# KiCad board keyboard - Hackpadv2.kicad_pcb (continued)
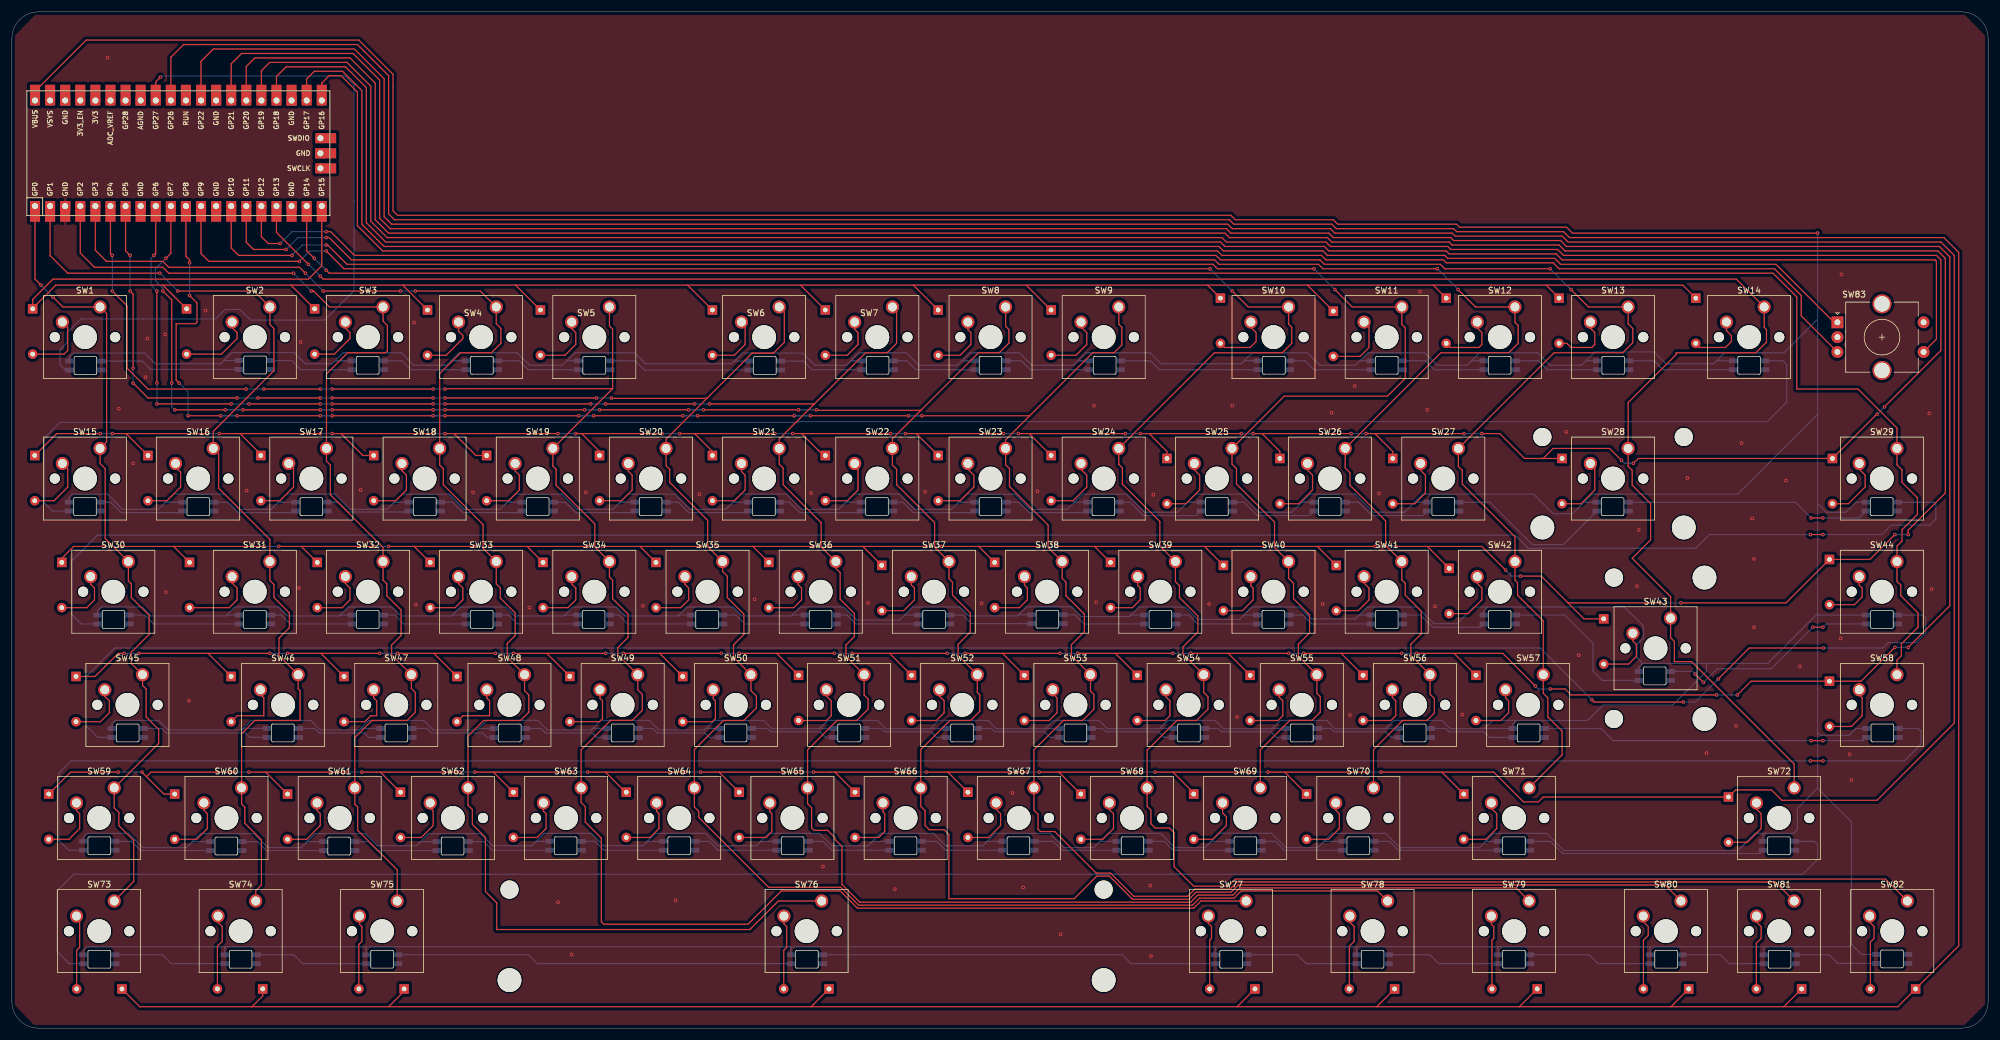
[diagram p0: board, top side]
## Nets (continued)
Net-(D74-A): D74.2 SW74.2
Net-(D75-A): D75.2 SW75.2
Net-(D76-A): D76.2 SW76.2
Net-(D77-A): D77.2 SW77.2
Net-(D78-A): D78.2 SW78.2
Net-(D79-A): D79.2 SW79.2
Net-(D80-A): D80.2 SW80.2
Net-(D81-A): D81.2 SW81.2
Net-(D82-A): D82.2 SW82.2
Net-(D83-DOUT): D83.2 D84.4
Net-(D84-DOUT): D84.2 D85.4
Net-(D85-DOUT): D85.2 D86.4
Net-(D86-DOUT): D86.2 D87.4
Net-(D87-DOUT): D87.2 D88.4
Net-(D88-DOUT): D88.2 D89.4
Net-(D89-DOUT): D89.2 D90.4
Net-(D90-DOUT): D90.2 D91.4
Net-(D91-DOUT): D91.2 D92.4
Net-(D92-DOUT): D92.2 D93.4
Net-(D93-DOUT): D93.2 D94.4
Net-(D94-DOUT): D94.2 D95.4
Net-(D95-DOUT): D95.2 D96.4
Net-(D97-DOUT): D97.2 D98.4
Net-(D98-DOUT): D98.2 D99.4
Net-(D100-DIN): D99.2 D100.4
Net-(D100-DOUT): D100.2 D101.4
Net-(D101-DOUT): D101.2 D102.4
Net-(D102-DOUT): D102.2 D103.4
Net-(D103-DOUT): D103.2 D104.4
Net-(D104-DOUT): D104.2 D105.4
Net-(D105-DOUT): D105.2 D106.4
Net-(D106-DOUT): D106.2 D107.4
Net-(D107-DOUT): D107.2 D108.4
Net-(D108-DOUT): D108.2 D109.4
Net-(D109-DOUT): D109.2 D110.4
Net-(D110-DOUT): D110.2 D111.4
Net-(D112-DOUT): D112.2 D113.4
Net-(D113-DOUT): D113.2 D114.4
Net-(D114-DOUT): D114.2 D115.4
Net-(D115-DOUT): D115.2 D116.4
Net-(D116-DOUT): D116.2 D117.4
Net-(D117-DOUT): D117.2 D118.4
Net-(D118-DOUT): D118.2 D119.4
Net-(D119-DOUT): D119.2 D120.4
Net-(D120-DOUT): D120.2 D121.4
Net-(D121-DOUT): D121.2 D122.4
Net-(D122-DOUT): D122.2 D123.4
Net-(D123-DOUT): D123.2 D124.4
Net-(D124-DOUT): D124.2 D125.4
Net-(D125-DOUT): D125.2 D126.4
Net-(D127-DOUT): D127.2 D128.4
Net-(D128-DOUT): D128.2 D129.4
Net-(D129-DOUT): D129.2 D130.4
Net-(D130-DOUT): D130.2 D131.4
Net-(D131-DOUT): D131.2 D132.4
Net-(D132-DOUT): D132.2 D133.4
Net-(D133-DOUT): D133.2 D134.4
Net-(D134-DOUT): D134.2 D135.4
Net-(D135-DOUT): D135.2 D136.4
Net-(D136-DOUT): D136.2 D137.4
Net-(D137-DOUT): D137.2 D138.4
Net-(D138-DOUT): D138.2 D139.4
Net-(D139-DOUT): D139.2 D140.4
Net-(D141-DOUT): D141.2 D142.4
Net-(D142-DOUT): D142.2 D143.4
Net-(D143-DOUT): D143.2 D144.4
Net-(D144-DOUT): D144.2 D145.4
Net-(D145-DOUT): D145.2 D146.4
Net-(D146-DOUT): D146.2 D147.4
Net-(D147-DOUT): D147.2 D148.4
Net-(D148-DOUT): D148.2 D149.4
Net-(D149-DOUT): D149.2 D150.4
Net-(D150-DOUT): D150.2 D151.4
Net-(D151-DOUT): D151.2 D152.4
Net-(D152-DOUT): D152.2 D153.4
Net-(D153-DOUT): D153.2 D154.4
Net-(D155-DOUT): D155.2 D156.4
Net-(D156-DOUT): D156.2 D157.4
Net-(D157-DOUT): D157.2 D158.4
Net-(D158-DOUT): D158.2 D159.4
Net-(D159-DOUT): D159.2 D160.4
Net-(D160-DOUT): D160.2 D161.4
Net-(D161-DOUT): D161.2 D162.4
Net-(D162-DOUT): D162.2 D163.4
Net-(D163-DOUT): D163.2 D164.4

Pads without a net: D164 2; SW83 C MP S2; U1 8 13 18 23 28 30 33 34 35 36 37 38 39 41 42 43

## Via types
v1: diameter 0.6, hole 0.3, Top to Bottom, 300 vias

## Routing (per net, layer and track width the routed paths; a pad name or vN(x,y) marks a point on that pad's centre or on a via; arc(x,y) is an arc through that point)
GND:
  vias: v1(16.1,163.4) v1(18,104.3) v1(20.4,95.1) v1(22.5,109.6) v1(22.8,116.1) v1(25.8,116.8) v1(25.9,73.4) v1(29.8,55.1) v1(32.6,120.8) v1(39.5,90.5) v1(48.3,74.1) v1(48.6,115.5) v1(58.7,90.6) v1(67.7,118.8) v1(68,71.3) v1(77.6,90.2) v1(87.1,70.8) v1(91.9,21.2) v1(94.2,12.4) v1(96.6,90.2) v1(106.2,71.1) v1(111.7,21.5) v1(115.7,89.9) v1(125,72.2) v1(134.5,90.1) v1(136.5,27.2) v1(144.1,71.6) v1(148.6,23.4) v1(153.7,90.3) v1(163.2,71.5) v1(168.4,39.6) v1(170.2,23.7) v1(172.6,90.4) v1(176.5,15.8) v1(182.1,104.8) v1(182.5,71.7) v1(191.6,24) v1(191.7,12.1) v1(192.1,89.8) v1(201.5,71.4) v1(205.4,104.8) v1(206.2,52.4) v1(220.6,71.4) v1(222.1,103.6) v1(225.2,52.7) v1(226,108.1) v1(230.1,90) v1(237,124) v1(238.2,104.1) v1(239.5,71) v1(244.1,52.8) v1(261.6,100.4) v1(263.7,62.8) v1(273.5,74.4) v1(273.8,83.9) v1(282,92.6) v1(285.2,46.3) v1(290.2,50.9) v1(291.1,98.5) v1(292.9,85.8) v1(293.2,79) v1(293.2,67.5) v1(298.6,92.2) v1(300.9,60.9) v1(307.8,65.6) v1(307.9,126.9) v1(309.3,46.1) v1(309.6,41.8) v1(322.7,103.5) v1(323.1,73.9)
Column 0: length 138.5
  Top w0.2: SW73.1 19.8,23.98 19.8,24 20.5,24.7 20.5,31.6 18,34.1 18,36.3 17.23,37.07 SW59.1 24.7,47.93 24.7,50.3 22.6,52.4 22.6,57.1 21.99,57.71 SW45.1 20.1,61.39 20.1,63.3 23.1,66.3 23.1,69.5 20.1,72.5 20.1,74.8 19.61,75.29 SW30.1 15.7,82.46 15.7,94.2 14.85,95.05 SW15.1 15.95,98.7 15.95,120.32 SW1.1 8.58,121.42 v1(6.9,123.1) ; U1.1 3.89,126.11 v1(4.9,125.1)
  Bottom w0.2: v1(6.9,123.1) v1(4.9,125.1)
Column 1: length 171.2
  Top w0.2: v1(24.9,127.1) 9.4,127.1 6.43,130.07 U1.2 ; SW74.1 41.04,23.14 42,24.1 42,31.7 39.2,34.5 39.2,37.2 38.66,37.74 SW60.1 38.66,49.56 40.9,51.8 48.5,51.8 48.5,56.8 48.18,57.12 SW46.1 44.95,62.74 44.95,65.65 46.7,67.4 46.7,69.9 44.1,72.5 44.1,74.7 43.42,75.38 SW31.1 43.42,82.28 34.8,90.9 34.8,96.7 SW16.1 33.9,100.48 44.1,110.69 44.1,117.8 43.43,118.47 43.43,121.41 SW2.1 40.74,124.1 v1(27.9,124.1)
  Bottom w0.2: v1(27.9,124.1) v1(24.9,127.1)
Column 2: length 189.1
  Top w0.2: v1(50.4,124.1) 50.79,124.1 53.47,121.42 SW3.1 62.47,119.03 63.2,118.3 63.2,114 62.9,113.7 56.5,113.7 52.95,110.15 SW17.1 52.95,95.45 53.6,94.8 53.6,89.8 62.47,80.93 SW32.1 62.47,75.43 63.1,74.8 63.1,72.8 65.5,70.4 65.5,66.1 63.9,64.5 63.9,62.84 SW47.1 67.23,57.17 67.9,56.5 67.9,53.2 66.5,51.8 60.6,51.8 57.71,48.91 SW61.1 57.71,37.69 58.2,37.2 58.2,33.3 64.85,26.65 SW75.1 ; v1(47.4,127.1) 26.4,127.1 25.4,128.1 13.9,128.1 11.51,130.49 U1.4
  Bottom w0.2: v1(50.4,124.1) v1(47.4,127.1)
Column 3: length 265.2
  Top w0.2: v1(65.4,124.1) v1(52.4,124.1) ; v1(49.4,127.1) 48.4,128.1 26.4,128.1 25.4,129.1 15.9,129.1 14.05,130.95 U1.5 ; SW76.1 129,21.41 124.2,16.6 81.6,16.6 81.6,21.1 79.7,23 79.7,32.1 77.5,34.3 77.5,36.8 76.76,37.54 SW62.1 76.76,49.16 79.4,51.8 85.6,51.8 87,53.2 87,56.1 86.28,56.82 SW48.1 83.36,62.43 83.36,64.74 84.7,66.09 84.7,69.9 82.2,72.4 82.2,74.1 81.52,74.78 SW33.1 79.3,80.78 79.3,84.8 72.6,91.5 72.6,94.2 72,94.8 SW18.1 72,110.2 75.5,113.7 80.7,113.7 82.3,115.3 82.3,117.8 81.52,118.58 SW4.1 78.84,124.1 v1(67.9,124.1)
  Bottom w0.2: v1(67.9,124.1) v1(65.4,124.1) ; v1(52.4,124.1) v1(49.4,127.1)
Column 4: length 347.7
  Top w0.2: U1.6 16.59,130.41 v1(16.9,130.1) ; 101.1,107.66 101.1,117.7 100.57,118.23 SW5.1 ; 101.1,107.66 SW19.1 91.05,94.65 91.6,94.1 91.6,91.4 98.1,84.9 98.1,81.03 SW34.1 100.57,75.93 101.1,75.4 101.1,72.3 103.7,69.7 103.7,65.8 101.97,64.07 101.97,62.87 SW49.1 105.33,56.97 106.1,56.2 106.1,53.5 104.41,51.81 104.28,51.82 100.78,51.82 95.81,46.84 SW63.1 95.81,37.99 96.5,37.3 96.5,34.7 99.2,32 99.2,17.9 99.6,17.5 123.9,17.5 129.5,23.1 139.4,23.1 142.3,20.2 198.9,20.2 200.11,21.41 SW77.1 ; 101.1,107.66 72.96,107.66 v1(72.9,107.6) ; v1(39.4,107.6) 22.9,107.6 19.4,111.1 19.4,121.6 v1(16.9,124.1) ; v1(70.9,107.6) v1(53.9,107.6) ; v1(51.9,107.6) v1(42.4,107.6)
  Bottom w0.2: v1(72.9,107.6) v1(70.9,107.6) ; v1(53.9,107.6) v1(51.9,107.6) ; v1(16.9,124.1) v1(16.9,130.1) ; v1(42.4,107.6) v1(39.4,107.6)
Column 5: length 362.8
  Top w0.2: 116.97,106.03 110.1,99.16 SW20.1 110.1,94.7 110.7,94.1 110.7,91.9 117.1,85.5 117.1,81.08 SW35.1 119.62,76.88 120.4,76.1 120.4,72.5 123.2,69.7 123.2,66.29 121.44,64.53 121.44,62.44 SW50.1 124.38,56.82 125.3,55.9 125.3,53.9 123.2,51.8 119.76,51.8 114.86,46.89 SW64.1 114.86,37.24 115.6,36.5 115.6,35.48 127.38,23.7 139.5,23.7 142.5,20.7 198.7,20.7 199.9,21.9 205.7,21.9 206.9,23.1 229.84,23.1 SW78.1 ; 116.97,106.03 124.59,113.66 128.09,113.66 128.1,113.65 128.19,113.65 130,115.46 130,120.56 SW6.1 ; 116.97,106.03 100.97,106.03 v1(100.9,106.1) ; v1(19.9,124.1) 20.4,123.6 v1(20.4,111.1) ; v1(51.9,106.1) v1(41.4,106.1) ; v1(37.9,106.1) 22.9,106.1 v1(20.4,108.6) ; v1(70.9,106.1) v1(53.9,106.1) ; v1(19.9,130.1) 19.13,130.87 U1.7 ; v1(98.4,106.1) v1(72.9,106.1)
  Bottom w0.2: v1(53.9,106.1) v1(51.9,106.1) ; v1(100.9,106.1) v1(98.4,106.1) ; v1(72.9,106.1) v1(70.9,106.1) ; v1(41.4,106.1) v1(37.9,106.1) ; v1(19.9,124.1) v1(19.9,130.1) ; v1(20.4,108.6) v1(20.4,111.1)
Column 6: length 388.6
  Top w0.2: SW79.1 253.16,23.6 206.7,23.6 205.5,22.4 199.6,22.4 198.4,21.2 142.7,21.2 139.7,24.2 139.7,30.6 138.5,31.8 138.5,32.1 137.3,33.3 135,33.3 134.6,33.7 134.6,37.1 133.91,37.79 SW65.1 133.91,46.84 138.86,51.8 142.2,51.8 144.1,53.7 144.1,55.4 143.43,56.07 SW51.1 140.37,62.57 140.37,64.51 141.8,65.94 141.8,69.8 139.4,72.2 139.4,76.7 138.67,77.43 SW36.1 136.2,81.03 136.2,85.1 129.8,91.5 129.8,94.3 129.15,94.95 SW21.1 129.15,99.18 134.98,105.02 ; 134.98,105.02 134.9,105.1 v1(117.4,105.1) ; 134.98,105.02 143.66,113.7 147.3,113.7 148.9,115.3 148.9,120.71 SW7.1 ; v1(114.9,105.1) v1(99.9,105.1) ; v1(24.4,108.6) v1(24.4,124.1) ; v1(51.9,105.1) v1(39.9,105.1) ; v1(70.9,105.1) v1(53.9,105.1) ; v1(36.9,105.1) v1(24.4,105.1) ; U1.9 24.21,130.41 v1(23.9,130.1) ; v1(97.4,105.1) v1(72.9,105.1)
  Bottom w0.2: v1(72.9,105.1) v1(70.9,105.1) ; v1(23.9,130.1) 23.4,129.6 23.4,125.1 v1(24.4,124.1) ; v1(99.9,105.1) v1(97.4,105.1) ; v1(53.9,105.1) v1(51.9,105.1) ; v1(117.4,105.1) v1(114.9,105.1) ; v1(24.4,105.1) v1(24.4,108.6) ; v1(39.9,105.1) v1(36.9,105.1)
Column 7: length 418.3
  Top w0.2: v1(96.4,104.1) v1(72.9,104.1) ; 152.98,104.02 162.66,113.7 166.16,113.7 167.8,115.34 167.8,117.6 167.25,118.15 SW8.1 ; 152.98,104.02 148.2,99.23 SW22.1 148.2,94.8 148.9,94.1 148.9,91.5 155.3,85.1 155.3,80.98 SW37.1 157.72,75.68 158.3,75.1 158.3,72.9 161.3,69.9 161.3,66.69 159.26,64.64 159.26,62.73 SW52.1 162.48,56.52 162.9,56.1 162.9,53.34 161.36,51.8 157.86,51.8 152.96,46.89 SW66.1 152.96,37.34 153.7,36.6 153.7,34.1 154.4,33.4 156.9,33.4 157.7,32.6 157.7,21.8 178.8,21.8 182.6,25.6 184.7,25.6 188.6,21.7 198.1,21.7 199.3,22.9 205.2,22.9 206.4,24.1 278.22,24.1 SW80.1 ; 152.98,104.02 135.48,104.02 v1(135.4,104.1) ; v1(25.9,129.6) 26.75,130.45 U1.10 ; v1(51.9,104.1) v1(38.9,104.1) ; v1(35.9,104.1) v1(27.4,104.1) ; v1(113.9,104.1) v1(98.9,104.1) ; v1(132.4,104.1) v1(116.4,104.1) ; v1(70.9,104.1) v1(53.9,104.1) ; v1(25.4,124.1) 26.9,122.6 v1(26.9,108.6)
  Bottom w0.2: v1(25.4,124.1) 25.4,124.6 24.15,125.85 24.15,127.85 v1(25.9,129.6) ; v1(72.9,104.1) v1(70.9,104.1) ; v1(38.9,104.1) v1(35.9,104.1) ; v1(53.9,104.1) v1(51.9,104.1) ; v1(135.4,104.1) v1(132.4,104.1) ; v1(27.4,104.1) 26.9,104.6 v1(26.9,108.6) ; v1(98.9,104.1) v1(96.4,104.1) ; v1(116.4,104.1) v1(113.9,104.1)
Column 8: length 428.8
  Top w0.2: v1(131.65,103.1) v1(115.4,103.1) ; v1(112.9,103.1) v1(97.9,103.1) ; v1(70.9,103.1) v1(53.9,103.1) ; v1(95.4,103.1) v1(72.9,103.1) ; v1(29.9,128.85) 29.9,129.35 29.29,129.96 U1.11 ; v1(28.15,108.6) 27.65,109.1 27.65,118.6 30.9,118.6 31.15,118.85 31.15,122.1 v1(29.9,123.35) ; v1(35.15,103.1) v1(29.65,103.1) ; SW9.1 186.3,118.5 186.8,118 186.8,115.01 185.51,113.71 185.4,113.72 181.91,113.72 171.22,103.03 ; v1(153.15,103.1) 171.15,103.1 171.22,103.03 ; 171.22,103.03 167.25,99.06 SW23.1 167.25,94.85 167.9,94.2 167.9,91.2 174.4,84.7 174.4,80.93 SW38.1 176.77,75.73 177.4,75.1 177.4,72.8 180.5,69.7 180.5,66.74 178.32,64.56 178.32,62.72 SW53.1 181.53,56.77 182.1,56.2 182.1,53.7 180.2,51.8 176.96,51.8 172.01,46.84 SW67.1 172.01,36.69 172.7,36 172.7,33.5 173.1,33.1 175.5,33.1 182.5,26.1 184.9,26.1 188.8,22.2 197.9,22.2 199.1,23.4 205,23.4 206.2,24.6 296.77,24.6 SW81.1 ; v1(150.9,103.1) v1(134.4,103.1) ; v1(51.9,103.1) v1(37.9,103.1)
  Bottom w0.2: v1(53.9,103.1) v1(51.9,103.1) ; v1(97.9,103.1) v1(95.4,103.1) ; v1(134.4,103.1) v1(131.65,103.1) ; v1(115.4,103.1) v1(112.9,103.1) ; v1(29.9,123.35) v1(29.9,128.85) ; v1(153.15,103.1) v1(150.9,103.1) ; v1(72.9,103.1) v1(70.9,103.1) ; v1(29.65,103.1) 29.65,107.1 v1(28.15,108.6) ; v1(37.9,103.1) v1(35.15,103.1)
Column 9: length 454
  Top w0.2: v1(201.65,127.85) 55.9,127.85 v1(52.9,130.85) ; SW82.1 315.32,25.1 205.9,25.1 204.7,23.9 198.9,23.9 195.6,27.2 195.6,32.9 194.8,33.7 192.4,33.7 191.7,34.4 191.7,36.7 191.06,37.34 SW68.1 191.06,46.79 196.06,51.8 199.4,51.8 201.3,53.7 201.3,55.8 200.58,56.52 SW54.1 197.09,62.99 197.09,64.18 199.6,66.69 199.6,69.4 196.5,72.5 196.5,74.5 195.82,75.18 SW39.1 193.2,81.18 193.2,85.3 186.9,91.6 186.9,94.3 186.3,94.9 SW24.1 202.39,113.7 213.8,113.7 215.4,115.3 215.4,118 214.87,118.53 SW10.1 208.08,121.42 v1(205.4,124.1) ; v1(48.4,129.1) 33.15,129.1 31.83,130.42 U1.12
  Bottom w0.2: v1(48.4,129.1) 50.15,130.85 v1(52.9,130.85) ; v1(205.4,124.1) v1(201.65,127.85)
Column 10: length 327.2
  Top w0.2: v1(222.65,124.35) 225.58,121.42 SW11.1 233.92,118.48 234.5,117.9 234.5,109.4 231.5,106.4 214.14,106.4 SW25.1 205.35,94.95 206.1,94.2 206.1,91.6 212.5,85.2 212.5,80.93 SW40.1 214.87,75.73 215.7,74.9 215.7,72.3 218.4,69.6 218.4,66.54 216.52,64.66 216.52,62.62 SW55.1 219.63,56.37 220.2,55.8 220.2,53.2 218.81,51.81 215.07,51.81 210.11,46.84 SW69.1 ; v1(52.9,131.85) 53.15,131.85 56.4,128.6 202.15,128.6 202.9,127.85 v1(219.15,127.85) ; U1.14 36.91,131.34 38.15,130.1 v1(47.15,130.1)
  Bottom w0.2: v1(222.65,124.35) v1(219.15,127.85) ; v1(52.9,131.85) 48.9,131.85 v1(47.15,130.1)
Column 11: length 340
  Top w0.2: v1(46.15,131.1) 40.65,131.1 39.45,132.3 U1.15 ; SW70.1 229.16,46.89 234.06,51.8 238.16,51.8 239.4,53.04 239.4,55.5 238.68,56.22 SW56.1 235.44,62.74 235.44,64.63 237.2,66.39 237.2,70.2 234.5,72.9 234.5,74.9 233.92,75.48 SW41.1 231.2,81.28 231.2,85.4 225.2,91.4 225.2,93.5 224.4,94.3 SW26.1 240.49,113.7 248.36,113.7 248.38,113.71 251.92,113.71 253.5,115.29 253.5,118.3 252.97,118.83 SW12.1 246.33,121.42 v1(243.4,124.35) ; v1(239.9,127.85) 220.65,127.85 219.9,128.6 203.15,128.6 202.4,129.35 57.15,129.35 53.4,133.1 v1(52.9,133.1)
  Bottom w0.2: v1(243.4,124.35) v1(239.9,127.85) ; v1(46.15,131.1) 48.15,133.1 v1(52.9,133.1)
Column 12: length 351.5
  Top w0.2: v1(45.15,132.1) 43.15,132.1 41.99,133.26 U1.16 ; v1(258.9,127.85) 241.15,127.85 240.4,128.6 220.9,128.6 220.15,129.35 203.4,129.35 202.65,130.1 57.65,130.1 53.65,134.1 v1(52.9,134.1) ; v1(262.4,124.35) 265.33,121.42 SW13.1 272.02,118.58 272.8,117.8 272.8,115.4 271.11,113.71 259.55,113.71 SW27.1 243.45,94.55 244.1,93.9 244.1,91.6 252.97,82.73 SW42.1 252.97,75.43 253.4,75 253.4,72.9 257.73,68.57 SW57.1 257.73,56.37 258.5,55.6 258.5,52.4 260.9,50 260.9,46 SW71.1
  Bottom w0.2: v1(45.15,132.1) 47.15,134.1 v1(52.9,134.1) ; v1(262.4,124.35) v1(258.9,127.85)
Column 13: length 374.5
  Top w0.2: v1(51.9,126.6) 52.4,126.1 290.23,126.1 SW14.1 294.91,117.99 295.3,117.6 295.3,115.5 293.5,113.7 280.1,113.7 280.1,113.4 272.02,105.32 SW28.1 272.02,94.58 272.7,93.9 272.7,91.4 275.8,88.3 275.8,82.2 272.7,79.1 279.16,72.64 SW43.1 279.16,65.74 279.8,65.1 279.8,61.7 282.7,61.7 299.96,44.44 SW72.1 ; v1(49.9,128.6) 44.53,133.97 U1.17
  Bottom w0.2: v1(51.9,126.6) v1(49.9,128.6)
Column 14: length 343.9
  Top w0.2: U1.19 49.61,130.89 v1(50.9,129.6) ; SW58.1 317.26,61.96 318,62.7 318,64.7 320.8,67.5 320.8,69.9 317.9,72.8 317.9,74.6 317.26,75.24 SW44.1 317.26,81.16 318.1,82 318.1,83.9 320.7,86.5 320.7,89.3 318.1,91.9 318.1,94 317.26,94.84 SW29.1 317.26,101.05 310.71,107.6 300.4,107.6 300.4,123.1 296.4,127.1 53.4,127.1 v1(52.9,127.6)
  Bottom w0.2: v1(52.9,127.6) v1(50.9,129.6)
LEDData: length 132.7
  Top w0.2: U1.32 24.21,159.31 v1(25,160.1)
  Bottom w0.2: v1(25,160.1) 25.2,160.3 56.1,160.3 57.6,158.8 57.6,124.2 52.6,119.2 40.2,119.2 38.4,121 35.9,121 34.3,119.4 11.6,119.4 9.3,117.1 9.3,115.4 8.1,114.2 8.1,111.7 9,110.8 D83.4
RotaryA: length 292.5
  Top w0.2: U1.22 49.61,159.81 50.9,161.1 55.65,161.1 58.9,157.85 58.9,135.35 62.65,131.6 203.15,131.6 203.9,130.85 220.65,130.85 221.4,130.1 241.15,130.1 241.65,129.6 259.65,129.6 260.65,128.6 296.9,128.6 306.66,118.84 SW83.A
RotaryB: length 293
  Top w0.2: U1.21 52.15,159.1 53.4,160.35 55.4,160.35 58.15,157.6 58.15,135.1 62.4,130.85 202.9,130.85 203.65,130.1 220.4,130.1 221.15,129.35 240.9,129.35 241.4,128.85 259.4,128.85 260.4,127.85 296.65,127.85 301.15,123.35 301.15,119.93 SW83.B
RotaryS1: length 327.1
  Top w0.2: U1.24 44.53,160.23 46.15,161.85 56.15,161.85 59.65,158.35 59.65,135.6 62.9,132.35 203.4,132.35 204.15,131.6 220.9,131.6 221.65,130.85 241.4,130.85 241.9,130.35 259.9,130.35 260.9,129.35 323.65,129.35 323.9,129.1 323.9,116 SW83.S1
Row 0: length 407.5
  Top w0.2: 258.21,125.1 239.21,125.1 ; 258.21,125.1 281.21,125.1 D14.1 ; 258.21,125.1 D13.1 ; 239.21,125.1 218.02,125.1 ; 239.21,125.1 D12.1 ; D11.1 218.02,125.1 ; 218.02,125.1 201.21,125.1 ; D5.1 84.76,125.1 ; 84.76,125.1 113.71,125.1 ; 84.76,125.1 65.76,125.1 ; D4.1 65.76,125.1 ; 65.76,125.1 46.95,125.1 ; D7.1 132.71,125.1 ; 132.71,125.1 113.71,125.1 ; 132.71,125.1 151.71,125.1 ; 201.21,125.1 170.71,125.1 ; 201.21,125.1 D10.1 ; 170.71,125.1 151.71,125.1 ; 170.71,125.1 D9.1 ; 113.71,125.1 D6.1 ; U1.20 52.15,128.35 49.9,126.1 6.9,126.1 3.5,122.7 D1.1 3.5,121.2 7.4,125.1 25.4,125.1 ; D3.1 46.95,125.1 ; 46.95,125.1 25.4,125.1 ; 151.71,125.1 D8.1 ; D2.1 25.4,125.1
Row 1: length 734.3
  Top w0.2: D16.1 19.21,100.1 ; 19.21,100.1 v1(16.9,100.1) ; 19.21,100.1 v1(32.9,100.1) ; v1(315.15,104.6) 324.65,114.1 324.65,129.35 323.9,130.1 261.15,130.1 260.15,131.1 242.15,131.1 241.65,131.6 221.9,131.6 221.15,132.35 204.4,132.35 203.65,133.1 63.15,133.1 60.4,135.85 60.4,158.6 56.4,162.6 43.4,162.6 41.99,161.19 U1.25 ; 132.9,100.1 136.59,96.41 D22.1 ; 132.9,100.1 v1(147.9,100.1) ; 132.9,100.1 v1(131.4,100.1) ; D28.1 257.4,95.91 ; 257.4,95.91 254.59,95.91 250.4,100.1 v1(247.4,100.1) ; 257.4,95.91 257.71,95.91 259.4,97.6 268.9,97.6 v1(270.9,95.6) ; 55.4,100.1 59.09,96.41 D18.1 ; 55.4,100.1 v1(53.9,100.1) ; 55.4,100.1 v1(70.9,100.1) ; 210.4,100.1 213.4,97.1 D26.1 ; 210.4,100.1 v1(225.4,100.1) ; 210.4,100.1 v1(208.9,100.1) ; D23.1 152.21,100.1 ; 152.21,100.1 v1(166.9,100.1) ; 152.21,100.1 v1(150.4,100.1) ; 191.4,100.1 v1(189.9,100.1) ; 191.4,100.1 194.4,97.1 D25.1 ; 191.4,100.1 v1(206.9,100.1) ; 38.4,100.1 41.9,96.6 D17.1 ; 38.4,100.1 v1(51.9,100.1) ; 38.4,100.1 v1(34.9,100.1) ; v1(169.4,100.1) 171.21,100.1 ; v1(109.4,100.1) 95.9,100.1 ; 95.9,100.1 v1(94.9,100.1) ; 95.9,100.1 98.9,97.1 D20.1 ; v1(244.4,100.1) 229.4,100.1 ; 229.4,100.1 v1(227.9,100.1) ; 229.4,100.1 232.4,97.1 D27.1 ; 114.9,100.1 v1(112.4,100.1) ; 114.9,100.1 v1(128.4,100.1) ; 114.9,100.1 117.9,97.1 D21.1 ; v1(272.9,95.1) 273.71,95.91 D29.1 313.84,103.35 v1(313.9,103.35) ; 74.4,100.1 78.09,96.41 D19.1 ; 74.4,100.1 v1(91.9,100.1) ; 74.4,100.1 v1(72.9,100.1) ; v1(14.9,100.1) 7.54,100.1 D15.1 ; 171.21,100.1 D24.1 ; 171.21,100.1 v1(187.4,100.1)
  Bottom w0.2: v1(131.4,100.1) v1(128.4,100.1) ; v1(189.9,100.1) v1(187.4,100.1) ; v1(112.4,100.1) v1(109.4,100.1) ; v1(150.4,100.1) v1(147.9,100.1) ; v1(270.9,95.6) 271.4,95.1 v1(272.9,95.1) ; v1(34.9,100.1) v1(32.9,100.1) ; v1(208.9,100.1) v1(206.9,100.1) ; v1(94.9,100.1) v1(91.9,100.1) ; v1(72.9,100.1) v1(70.9,100.1) ; v1(313.9,103.35) v1(315.15,104.6) ; v1(16.9,100.1) v1(14.9,100.1) ; v1(247.4,100.1) v1(244.4,100.1) ; v1(53.9,100.1) v1(51.9,100.1) ; v1(227.9,100.1) v1(225.4,100.1) ; v1(169.4,100.1) v1(166.9,100.1)
Row 2: length 746.1
  Top w0.2: D42.1 238.21,81.1 ; 238.21,81.1 v1(232.9,81.1) ; 238.21,81.1 247.4,81.1 v1(251.4,77.1) ; v1(44.9,81.1) 48.71,81.1 ; 105.71,81.1 v1(99.4,81.1) ; 105.71,81.1 D35.1 ; 105.71,81.1 v1(115.9,81.1) ; v1(253.9,76.1) 257.4,76.1 261.9,71.6 ; D32.1 48.71,81.1 ; 48.71,81.1 v1(60.9,81.1) ; v1(172.9,81.1) 162.71,81.1 ; 162.71,81.1 v1(156.4,81.1) ; 162.71,81.1 D38.1 ; U1.26 39.45,161.9 40.9,163.35 56.9,163.35 61.15,159.1 61.15,136.1 63.4,133.85 204.15,133.85 204.9,133.1 221.4,133.1 222.15,132.35 241.9,132.35 242.4,131.85 260.4,131.85 261.4,130.85 324.15,130.85 325.4,129.6 325.4,90.1 319.15,83.85 v1(319.15,83.1) ; 261.9,71.6 264.59,68.91 D43.1 ; 261.9,71.6 v1(277.4,71.6) ; v1(210.9,81.1) 200.71,81.1 ; 200.71,81.1 D40.1 ; 200.71,81.1 v1(194.4,81.1) ; v1(63.4,81.1) 67.71,81.1 ; v1(15.4,81.1) 10.4,81.1 8.4,79.1 D30.1 ; v1(134.9,81.1) 124.71,81.1 ; 124.71,81.1 v1(118.4,81.1) ; 124.71,81.1 D36.1 ; 182.21,81.1 v1(175.9,81.1) ; 182.21,81.1 D39.1 ; 182.21,81.1 v1(191.9,81.1) ; D41.1 219.71,81.1 ; 219.71,81.1 v1(229.4,81.1) ; 219.71,81.1 v1(213.9,81.1) ; v1(80.4,81.1) 86.71,81.1 ; v1(153.9,81.1) 143.21,81.1 ; 143.21,81.1 v1(137.4,81.1) ; 143.21,81.1 D37.1 ; D31.1 27.21,81.1 ; 27.21,81.1 v1(18.4,81.1) ; 27.21,81.1 v1(42.4,81.1) ; v1(316.9,83.1) 312.71,78.91 D44.1 298.59,71.6 v1(280.9,71.6) ; 67.71,81.1 D33.1 ; 67.71,81.1 v1(77.9,81.1) ; D34.1 86.71,81.1 ; 86.71,81.1 v1(96.9,81.1)
  Bottom w0.2: v1(118.4,81.1) v1(115.9,81.1) ; v1(18.4,81.1) v1(15.4,81.1) ; v1(251.4,77.1) 252.4,76.1 v1(253.9,76.1) ; v1(213.9,81.1) v1(210.9,81.1) ; v1(137.4,81.1) v1(134.9,81.1) ; v1(316.9,83.1) v1(319.15,83.1) ; v1(156.4,81.1) v1(153.9,81.1) ; v1(232.9,81.1) v1(229.4,81.1) ; v1(194.4,81.1) v1(191.9,81.1) ; v1(44.9,81.1) v1(42.4,81.1) ; v1(280.9,71.6) v1(277.4,71.6) ; v1(99.4,81.1) v1(96.9,81.1) ; v1(63.4,81.1) v1(60.9,81.1) ; v1(175.9,81.1) v1(172.9,81.1) ; v1(80.4,81.1) v1(77.9,81.1)
Row 3: length 772.8
  Top w0.2: v1(195.4,63.1) 185.71,63.1 ; 185.71,63.1 D54.1 ; 185.71,63.1 v1(179.4,63.1) ; v1(43.4,63.1) 33.01,63.1 ; 33.01,63.1 v1(21.4,63.1) ; 33.01,63.1 D46.1 ; 71.01,63.1 v1(64.9,63.1) ; 71.01,63.1 D48.1 ; 71.01,63.1 v1(81.4,63.1) ; 109.01,63.1 v1(102.9,63.1) ; 109.01,63.1 v1(119.4,63.1) ; 109.01,63.1 D50.1 ; v1(290.4,56.1) 292.71,58.41 D58.1 311.21,58.41 v1(316.9,64.1) ; v1(176.4,63.1) 166.71,63.1 ; 166.71,63.1 D53.1 ; 166.71,63.1 v1(160.4,63.1) ; D55.1 204.71,63.1 ; 204.71,63.1 v1(214.9,63.1) ; 204.71,63.1 v1(198.4,63.1) ; v1(256.4,57.6) 250.9,63.1 242.71,63.1 ; v1(99.9,63.1) 90.02,63.1 ; 90.02,63.1 D49.1 ; 90.02,63.1 v1(84.4,63.1) ; D51.1 128.71,63.1 ; 128.71,63.1 v1(138.4,63.1) ; 128.71,63.1 v1(122.4,63.1) ; 242.71,63.1 v1(236.4,63.1) ; 242.71,63.1 D57.1 ; v1(233.9,63.1) 223.71,63.1 ; 223.71,63.1 v1(217.4,63.1) ; 223.71,63.1 D56.1 ; D52.1 147.71,63.1 ; 147.71,63.1 v1(141.4,63.1) ; 147.71,63.1 v1(157.4,63.1) ; v1(319.15,64.1) 326.15,71.1 326.15,129.85 324.4,131.6 261.65,131.6 260.65,132.6 242.65,132.6 242.15,133.1 222.4,133.1 221.65,133.85 205.15,133.85 204.4,134.6 63.65,134.6 61.9,136.35 61.9,159.6 57.4,164.1 38.65,164.1 36.91,162.36 U1.27 ; v1(18.9,63.1) 17.9,63.1 14.01,59.21 D45.1 ; v1(286.9,56.1) 262.4,56.1 261.4,57.1 v1(258.9,57.1) ; D47.1 52.01,63.1 ; 52.01,63.1 v1(46.4,63.1) ; 52.01,63.1 v1(61.9,63.1)
  Bottom w0.2: v1(258.9,57.1) 256.9,57.1 v1(256.4,57.6) ; v1(198.4,63.1) v1(195.4,63.1) ; v1(290.4,56.1) v1(286.9,56.1) ; v1(160.4,63.1) v1(157.4,63.1) ; v1(179.4,63.1) v1(176.4,63.1) ; v1(84.4,63.1) v1(81.4,63.1) ; v1(217.4,63.1) v1(214.9,63.1) ; v1(102.9,63.1) v1(99.9,63.1) ; v1(141.4,63.1) v1(138.4,63.1) ; v1(64.9,63.1) v1(61.9,63.1) ; v1(46.4,63.1) v1(43.4,63.1) ; v1(316.9,64.1) v1(319.15,64.1) ; v1(21.4,63.1) v1(18.9,63.1) ; v1(236.4,63.1) v1(233.9,63.1) ; v1(122.4,63.1) v1(119.4,63.1)
Row 4: length 801.9
  Top w0.2: v1(94.4,43.1) 81.02,43.1 ; 81.02,43.1 v1(77.9,43.1) ; 81.02,43.1 D63.1 ; 62.02,43.1 v1(58.9,43.1) ; 62.02,43.1 D62.1 ; 62.02,43.1 v1(75.4,43.1) ; D65.1 119.02,43.1 ; 119.02,43.1 v1(115.9,43.1) ; 119.02,43.1 v1(132.9,43.1) ; 99.9,43.1 v1(96.9,43.1) ; 99.9,43.1 103.28,39.72 D64.1 ; 99.9,43.1 v1(113.4,43.1) ; 22.65,42.35 25.59,39.41 D60.1 ; 22.65,42.35 23.4,43.1 v1(37.4,43.1) ; 22.65,42.35 v1(21.9,43.1) ; v1(230.4,43.1) 240.66,43.1 ; v1(227.9,43.1) 214.21,43.1 ; 214.21,43.1 D70.1 ; 214.21,43.1 v1(211.4,43.1) ; v1(170.9,43.1) 157.52,43.1 ; 157.52,43.1 D67.1 ; 157.52,43.1 v1(153.9,43.1) ; v1(56.4,43.1) 42.71,43.1 ; 42.71,43.1 v1(39.9,43.1) ; 42.71,43.1 D61.1 ; v1(134.9,43.1) 138.52,43.1 ; v1(172.9,43.1) 176.21,43.1 ; v1(208.9,43.1) 195.4,43.1 ; 195.4,43.1 v1(192.4,43.1) ; 195.4,43.1 198.9,39.6 D69.1 ; U1.29 31.83,162.78 33.9,164.85 57.65,164.85 62.65,159.85 62.65,136.6 63.9,135.35 204.65,135.35 205.4,134.6 221.9,134.6 222.65,133.85 242.4,133.85 242.9,133.35 260.9,133.35 261.9,132.35 324.65,132.35 326.9,130.1 326.9,51.35 313.9,38.35 297.9,38.35 296.15,40.1 290.09,40.1 D72.1 257.71,38.91 256.9,38.1 254.4,38.1 249.4,43.1 240.66,43.1 ; v1(151.9,43.1) 138.52,43.1 ; 138.52,43.1 D66.1 ; D68.1 176.21,43.1 ; 176.21,43.1 v1(189.9,43.1) ; D71.1 240.66,43.1 ; v1(17.9,43.1) 9.89,43.1 D59.1
  Bottom w0.2: v1(39.9,43.1) v1(37.4,43.1) ; v1(211.4,43.1) v1(208.9,43.1) ; v1(77.9,43.1) v1(75.4,43.1) ; v1(134.9,43.1) v1(132.9,43.1) ; v1(172.9,43.1) v1(170.9,43.1) ; v1(192.4,43.1) v1(189.9,43.1) ; v1(21.9,43.1) v1(17.9,43.1) ; v1(96.9,43.1) v1(94.4,43.1) ; v1(58.9,43.1) v1(56.4,43.1) ; v1(153.9,43.1) v1(151.9,43.1) ; v1(230.4,43.1) v1(227.9,43.1) ; v1(115.9,43.1) v1(113.4,43.1)
Row 5: length 801.8
  Top w0.2: D79.1 253.71,3.6 ; 253.71,3.6 279.21,3.6 ; 253.71,3.6 229.71,3.6 ; 40.4,3.6 21.52,3.6 D73.1 ; 40.4,3.6 42.21,5.41 D74.1 ; 40.4,3.6 63.4,3.6 ; D81.1 298.21,3.6 ; 298.21,3.6 317.4,3.6 D82.1 327.65,13.85 327.65,130.6 325.15,133.1 262.15,133.1 261.15,134.1 243.15,134.1 242.65,134.6 222.9,134.6 222.15,135.35 205.65,135.35 204.9,136.1 64.4,136.1 63.4,137.1 63.4,160.35 58.15,165.6 28.9,165.6 26.75,163.45 U1.31 ; 298.21,3.6 279.21,3.6 ; D75.1 66.02,6.22 63.4,3.6 ; D76.1 134.52,3.6 ; 134.52,3.6 206.21,3.6 ; 134.52,3.6 63.4,3.6 ; D78.1 229.71,3.6 ; 229.71,3.6 206.21,3.6 ; 279.21,3.6 D80.1 ; D77.1 206.21,3.6
To5V: length 2542.4
  Top w0.2: U1.40 3.89,157.74 12.5,166.35 58.4,166.35 64.15,160.6 64.15,137.6 64.9,136.85 205.15,136.85 205.9,136.1 222.4,136.1 223.15,135.35 243.15,135.35 243.65,134.85 261.65,134.85 262.65,133.85 v1(303.9,133.85)
  Bottom w0.2: 253.24,51.8 249.2,51.8 247.8,50.4 ; 253.24,51.8 252.6,51.16 D139.3 247.85,50.45 247.8,50.4 ; 253.24,51.8 265.2,51.8 267.8,54.4 279.5,54.4 285.2,60.1 285.2,61.4 ; 216.9,88.35 218.45,89.9 226.1,89.9 229.15,86.85 234.4,86.85 235.9,88.35 ; 216.9,88.35 217.1,88.55 D108.3 ; 216.9,88.35 215.4,86.85 209.9,86.85 206.85,89.9 199.2,89.9 197.53,88.22 ; 247.75,31.15 249.4,32.8 258.3,32.8 261.2,29.9 290.5,29.9 293.4,32.8 295.1,32.8 ; 247.75,31.15 248.05,31.45 D153.3 ; 247.75,31.15 247,30.4 233.6,30.4 231.2,32.8 222.2,32.8 220.75,31.35 ; D120.3 169.4,69.6 169.3,69.5 ; 150.25,69.55 149.4,68.7 142.2,68.7 140,70.9 132.7,70.9 131.2,69.4 ; 150.25,69.55 151.6,70.9 159.5,70.9 161,69.4 169.2,69.4 169.3,69.5 ; 150.25,69.55 D119.3 ; 64.15,88.35 63.15,87.35 56.9,87.35 54.34,89.91 46.21,89.91 44.78,88.47 ; 64.15,88.35 65.7,89.9 73.6,89.9 76.15,87.35 82.15,87.35 83.15,88.35 ; 64.15,88.35 64.35,88.55 D100.3 ; 35.83,12.35 35.83,13.67 35.8,13.7 ; D106.3 178.85,88.55 178.78,88.47 ; D95.3 264.9,112.35 ; 264.9,112.35 266.4,113.85 276.4,113.85 278.4,111.85 286.4,111.85 286.9,112.35 ; 264.9,112.35 264.15,111.6 258.9,111.6 256.8,113.7 247,113.7 245.65,112.35 ; 197.53,88.22 197.85,88.55 200.12,88.55 ; 197.53,88.22 196.15,86.85 190.65,86.85 187.6,89.9 180.2,89.9 178.78,88.47 ; D109.3 236.1,88.55 235.9,88.35 ; D124.3 247.72,70.26 248.36,70.9 ; 38.7,50.2 40.3,51.8 50.3,51.8 51.9,50.2 58.5,50.2 ; 38.7,50.2 38.95,50.45 D128.3 ; 38.7,50.2 26.3,50.2 24.7,51.8 17.4,51.8 16.83,51.22 16.83,50.45 ; 182.95,31.25 184.5,32.8 193.3,32.8 195.7,30.4 200.8,30.4 201.75,31.35 ; 182.95,31.25 182.1,30.4 177.1,30.4 174.7,32.8 165.5,32.8 164,31.3 ; 182.95,31.25 183.15,31.45 D150.3 ; 154.6,50.4 154.65,50.45 D134.3 ; 154.6,50.4 147.1,50.4 145.7,51.8 137.3,51.8 135.9,50.4 ; 154.6,50.4 156,51.8 164.3,51.8 165.7,50.4 173.9,50.4 ; 68.6,31.2 68.1,30.7 61.5,30.7 59.45,32.75 51.05,32.75 49.5,31.2 ; 68.6,31.2 68.8,31.4 D144.3 ; 68.6,31.2 70.15,32.75 78.85,32.75 80.9,30.7 87.5,30.7 88.15,31.35 ; D84.3 35.7,112.4 35.65,112.35 ; 207.25,69.45 207.35,69.55 D122.3 ; 207.25,69.45 208.71,70.91 213.59,70.91 213.6,70.9 216.7,70.9 218.7,68.9 226.1,68.9 226.65,69.45 ; 207.25,69.45 206.6,68.8 199.6,68.8 197.5,70.9 189.7,70.9 188.25,69.45 ; D146.3 106.95,31.45 106.85,31.35 ; 121.53,112.22 121.6,112.3 D88.3 ; 121.53,112.22 122.95,113.65 133.1,113.65 135.15,111.6 140.4,111.6 141.15,112.35 ; 121.53,112.22 121.15,111.85 106.65,111.85 104.8,113.7 94.75,113.7 93.4,112.35 ; 303.9,119.35 298.25,113.7 288.25,113.7 286.9,112.35 ; 303.9,119.35 303.9,103.35 ; 303.9,119.35 v1(303.9,133.85) ; 159.9,112.35 159.15,111.6 152.65,111.6 150.54,113.71 144.15,113.71 144.14,113.71 142.51,113.71 141.15,112.35 ; 159.9,112.35 D90.3 ; 159.9,112.35 161.25,113.7 169.55,113.7 171.65,111.6 178.65,111.6 179.4,112.35 ; D116.3 93.05,69.55 92.9,69.4 ; 309.6,14.1 309.6,34.7 303.9,40.4 ; 309.6,14.1 309.2,13.7 294.8,13.7 ; 309.6,14.1 311.3,12.4 D164.3 ; 264.52,88.47 265.95,89.9 290.45,89.9 303.9,103.35 ; 264.52,88.47 262.65,86.6 259.4,86.6 256.1,89.9 237.45,89.9 235.9,88.35 ; 264.52,88.47 264.6,88.55 D110.3 ; D104.3 140.35,88.55 140.28,88.47 ; 102.15,88.35 102.35,88.55 D102.3 ; 102.15,88.35 101.15,87.35 95.15,87.35 92.6,89.9 84.7,89.9 83.15,88.35 ; 102.15,88.35 103.7,89.9 111.6,89.9 114.15,87.35 120.15,87.35 121.15,88.35 ; 35.8,13.7 12.66,13.7 12.03,13.06 D155.3 ; 35.8,13.7 59.6,13.7 ; D161.3 250.12,13.67 250.1,13.7 ; 97.5,50.2 99.1,51.8 107.3,51.8 108.9,50.2 116.6,50.2 116.7,50.3 ; 97.5,50.2 90.1,50.2 88.49,51.81 79.91,51.81 78.3,50.2 ; 97.5,50.2 97.75,50.45 D131.3 ; 78.3,50.2 70.9,50.2 69.3,51.8 60.1,51.8 58.5,50.2 ; 78.3,50.2 78.55,50.45 81.12,50.45 ; D89.3 141.15,112.35 ; 303.9,69.8 303.9,49.8 ; 303.9,69.8 304.15,69.55 D126.3 ; 303.9,69.8 303.9,88.35 ; 303.9,69.8 295.5,61.4 285.2,61.4 ; 303.9,49.8 304.4,49.3 309.2,49.3 310.35,50.45 D140.3 ; 303.9,49.8 303.9,40.4 ; 226.65,69.45 226.75,69.55 D123.3 ; 226.65,69.45 228.11,70.91 236.49,70.91 239.3,68.1 243.2,68.1 246,70.9 248.36,70.9 ; 226.9,112.35 228.25,113.7 237.8,113.7 239.9,111.6 244.9,111.6 245.65,112.35 ; 226.9,112.35 226.15,111.6 220.15,111.6 218.05,113.7 208.75,113.7 207.4,112.35 ; 226.9,112.35 D93.3 ; 44.78,88.47 43.65,87.35 38.4,87.35 35.85,89.9 27.2,89.9 25.78,88.47 ; 44.78,88.47 44.85,88.55 D99.3 ; 286.9,112.35 D96.3 ; 114.33,69.55 112.25,69.55 112.1,69.4 ; 144.55,31.15 144.85,31.45 D148.3 ; 144.55,31.15 146.2,32.8 155.1,32.8 157.2,30.7 163.4,30.7 164,31.3 ; 144.55,31.15 144.1,30.7 138,30.7 135.9,32.8 127.4,32.8 125.8,31.2 ; 25.78,88.47 24.65,87.35 18.65,87.35 16.1,89.9 10.2,89.9 9.62,89.32 D97.3 ; 25.78,88.47 25.85,88.55 D98.3 ; 55.2,69.5 55.25,69.55 D114.3 ; 55.2,69.5 56.6,70.9 63.9,70.9 65.4,69.4 74,69.4 74.15,69.55 ; 55.2,69.5 55.1,69.4 46.4,69.4 44.88,70.92 37.52,70.92 36.15,69.55 ; D159.3 202.53,13.62 202.6,13.7 ; 106.85,31.35 106.2,30.7 99.6,30.7 97.5,32.8 89.6,32.8 88.15,31.35 ; 106.85,31.35 108.3,32.8 116.7,32.8 118.8,30.7 125.3,30.7 125.8,31.2 ; 59.6,13.7 59.63,13.67 59.63,12.35 ; 59.6,13.7 131.1,13.7 ; 179.4,112.35 180.75,113.7 191.55,113.7 193.4,111.85 206.9,111.85 207.4,112.35 ; 179.4,112.35 D91.3 ; 212.1,50.4 212.15,50.45 D137.3 ; 212.1,50.4 213.5,51.8 221.3,51.8 222.7,50.4 231.2,50.4 ; 212.1,50.4 203.9,50.4 202.5,51.8 194.5,51.8 193.1,50.4 ; 93.4,112.35 92.65,111.6 87.15,111.6 85.05,113.7 75.25,113.7 73.9,112.35 ; 93.4,112.35 D87.3 ; 140.28,88.47 141.71,89.91 149.34,89.91 151.9,87.35 158.15,87.35 159.15,88.35 ; 140.28,88.47 139.15,87.35 132.9,87.35 130.33,89.92 122.72,89.92 121.15,88.35 ; 303.9,103.35 303.9,88.35 ; 294.8,13.7 294.83,13.67 D163.3 ; 294.8,13.7 275.7,13.7 ; 247.8,50.4 242.1,50.4 240.7,51.8 232.6,51.8 231.2,50.4 ; 231.2,50.4 231.25,50.45 D138.3 ; 201.75,31.35 201.85,31.45 D151.3 ; 201.75,31.35 203.21,32.81 211.99,32.81 214.4,30.4 219.8,30.4 220.75,31.35 ; 92.9,69.4 84.6,69.4 83.1,70.9 75.5,70.9 74.15,69.55 ; 92.9,69.4 94.4,70.9 101.7,70.9 103.2,69.4 112.1,69.4 ; 30.3,31.3 30.4,31.4 D142.3 ; 30.3,31.3 29.4,30.4 22,30.4 19.6,32.8 12.66,32.8 12.03,32.16 D141.3 ; 30.3,31.3 31.75,32.75 40.75,32.75 43.1,30.4 48.7,30.4 49.5,31.2 ; D149.3 164.15,31.45 164,31.3 ; 188.25,69.45 188.35,69.55 190.62,69.55 ; 188.25,69.45 188.1,69.3 180,69.3 178.35,70.95 170.75,70.95 169.3,69.5 ; 220.75,31.35 220.85,31.45 D152.3 ; 49.5,31.2 49.7,31.4 D143.3 ; 131.1,13.7 131.12,13.67 D158.3 ; 131.1,13.7 202.6,13.7 ; 112.1,69.4 113.6,70.9 121.3,70.9 122.8,69.4 131.2,69.4 ; 303.9,40.4 300.5,37 300.5,33.4 299.9,32.8 295.1,32.8 ; 76.43,112.35 73.9,112.35 ; 73.9,112.35 73.15,111.6 67.65,111.6 65.55,113.7 55.75,113.7 54.4,112.35 ; 125.8,31.2 126.05,31.45 D147.3 ; 173.9,50.4 175.3,51.8 183,51.8 184.4,50.4 193.1,50.4 ; 173.9,50.4 173.95,50.45 D135.3 ; 275.7,13.7 250.1,13.7 ; 275.7,13.7 275.73,13.67 D162.3 ; 58.5,50.2 58.75,50.45 D129.3 ; D132.3 116.85,50.45 116.7,50.3 ; 226.3,13.7 202.6,13.7 ; 226.3,13.7 226.33,13.67 D160.3 ; 226.3,13.7 250.1,13.7 ; 35.65,112.35 37.05,113.75 47.5,113.75 49.4,111.85 53.9,111.85 54.4,112.35 ; 35.65,112.35 35.15,111.85 24.15,111.85 22.35,113.65 10.34,113.65 9.7,113.01 D83.3 ; 245.65,112.35 D94.3 ; D136.3 193.15,50.45 193.1,50.4 ; 295.1,32.8 294.73,32.42 D154.3 ; 83.15,88.35 83.35,88.55 D101.3 ; 178.78,88.47 177.65,87.35 171.4,87.35 168.85,89.9 160.7,89.9 159.15,88.35 ; 135.9,50.4 135.95,50.45 D133.3 ; 135.9,50.4 127.9,50.4 126.5,51.8 118.2,51.8 116.7,50.3 ; 285.2,61.4 274.46,61.4 ; 248.36,70.9 271.4,70.9 274.6,67.7 274.6,65.7 273.5,64.6 273.5,62.36 274.46,61.4 ; D105.3 159.35,88.55 159.15,88.35 ; D85.3 54.4,112.35 ; 121.15,88.35 121.35,88.55 D103.3 ; D111.3 310.35,88.55 308.64,86.85 305.4,86.85 303.9,88.35 ; 207.4,112.35 D92.3 ; D125.3 273.83,60.76 274.46,61.4 ; 88.15,31.35 88.25,31.45 D145.3 ; D115.3 74.15,69.55 ; 133.43,69.55 131.35,69.55 131.2,69.4 ; 36.15,69.55 D113.3 ; 36.15,69.55 36,69.4 23.4,69.4 21.9,70.9 15.06,70.9 14.43,70.26 14.43,69.55
